# Altium PCB Copy of KaRadioWired.PcbDoc (part 1 of 3) (continued)
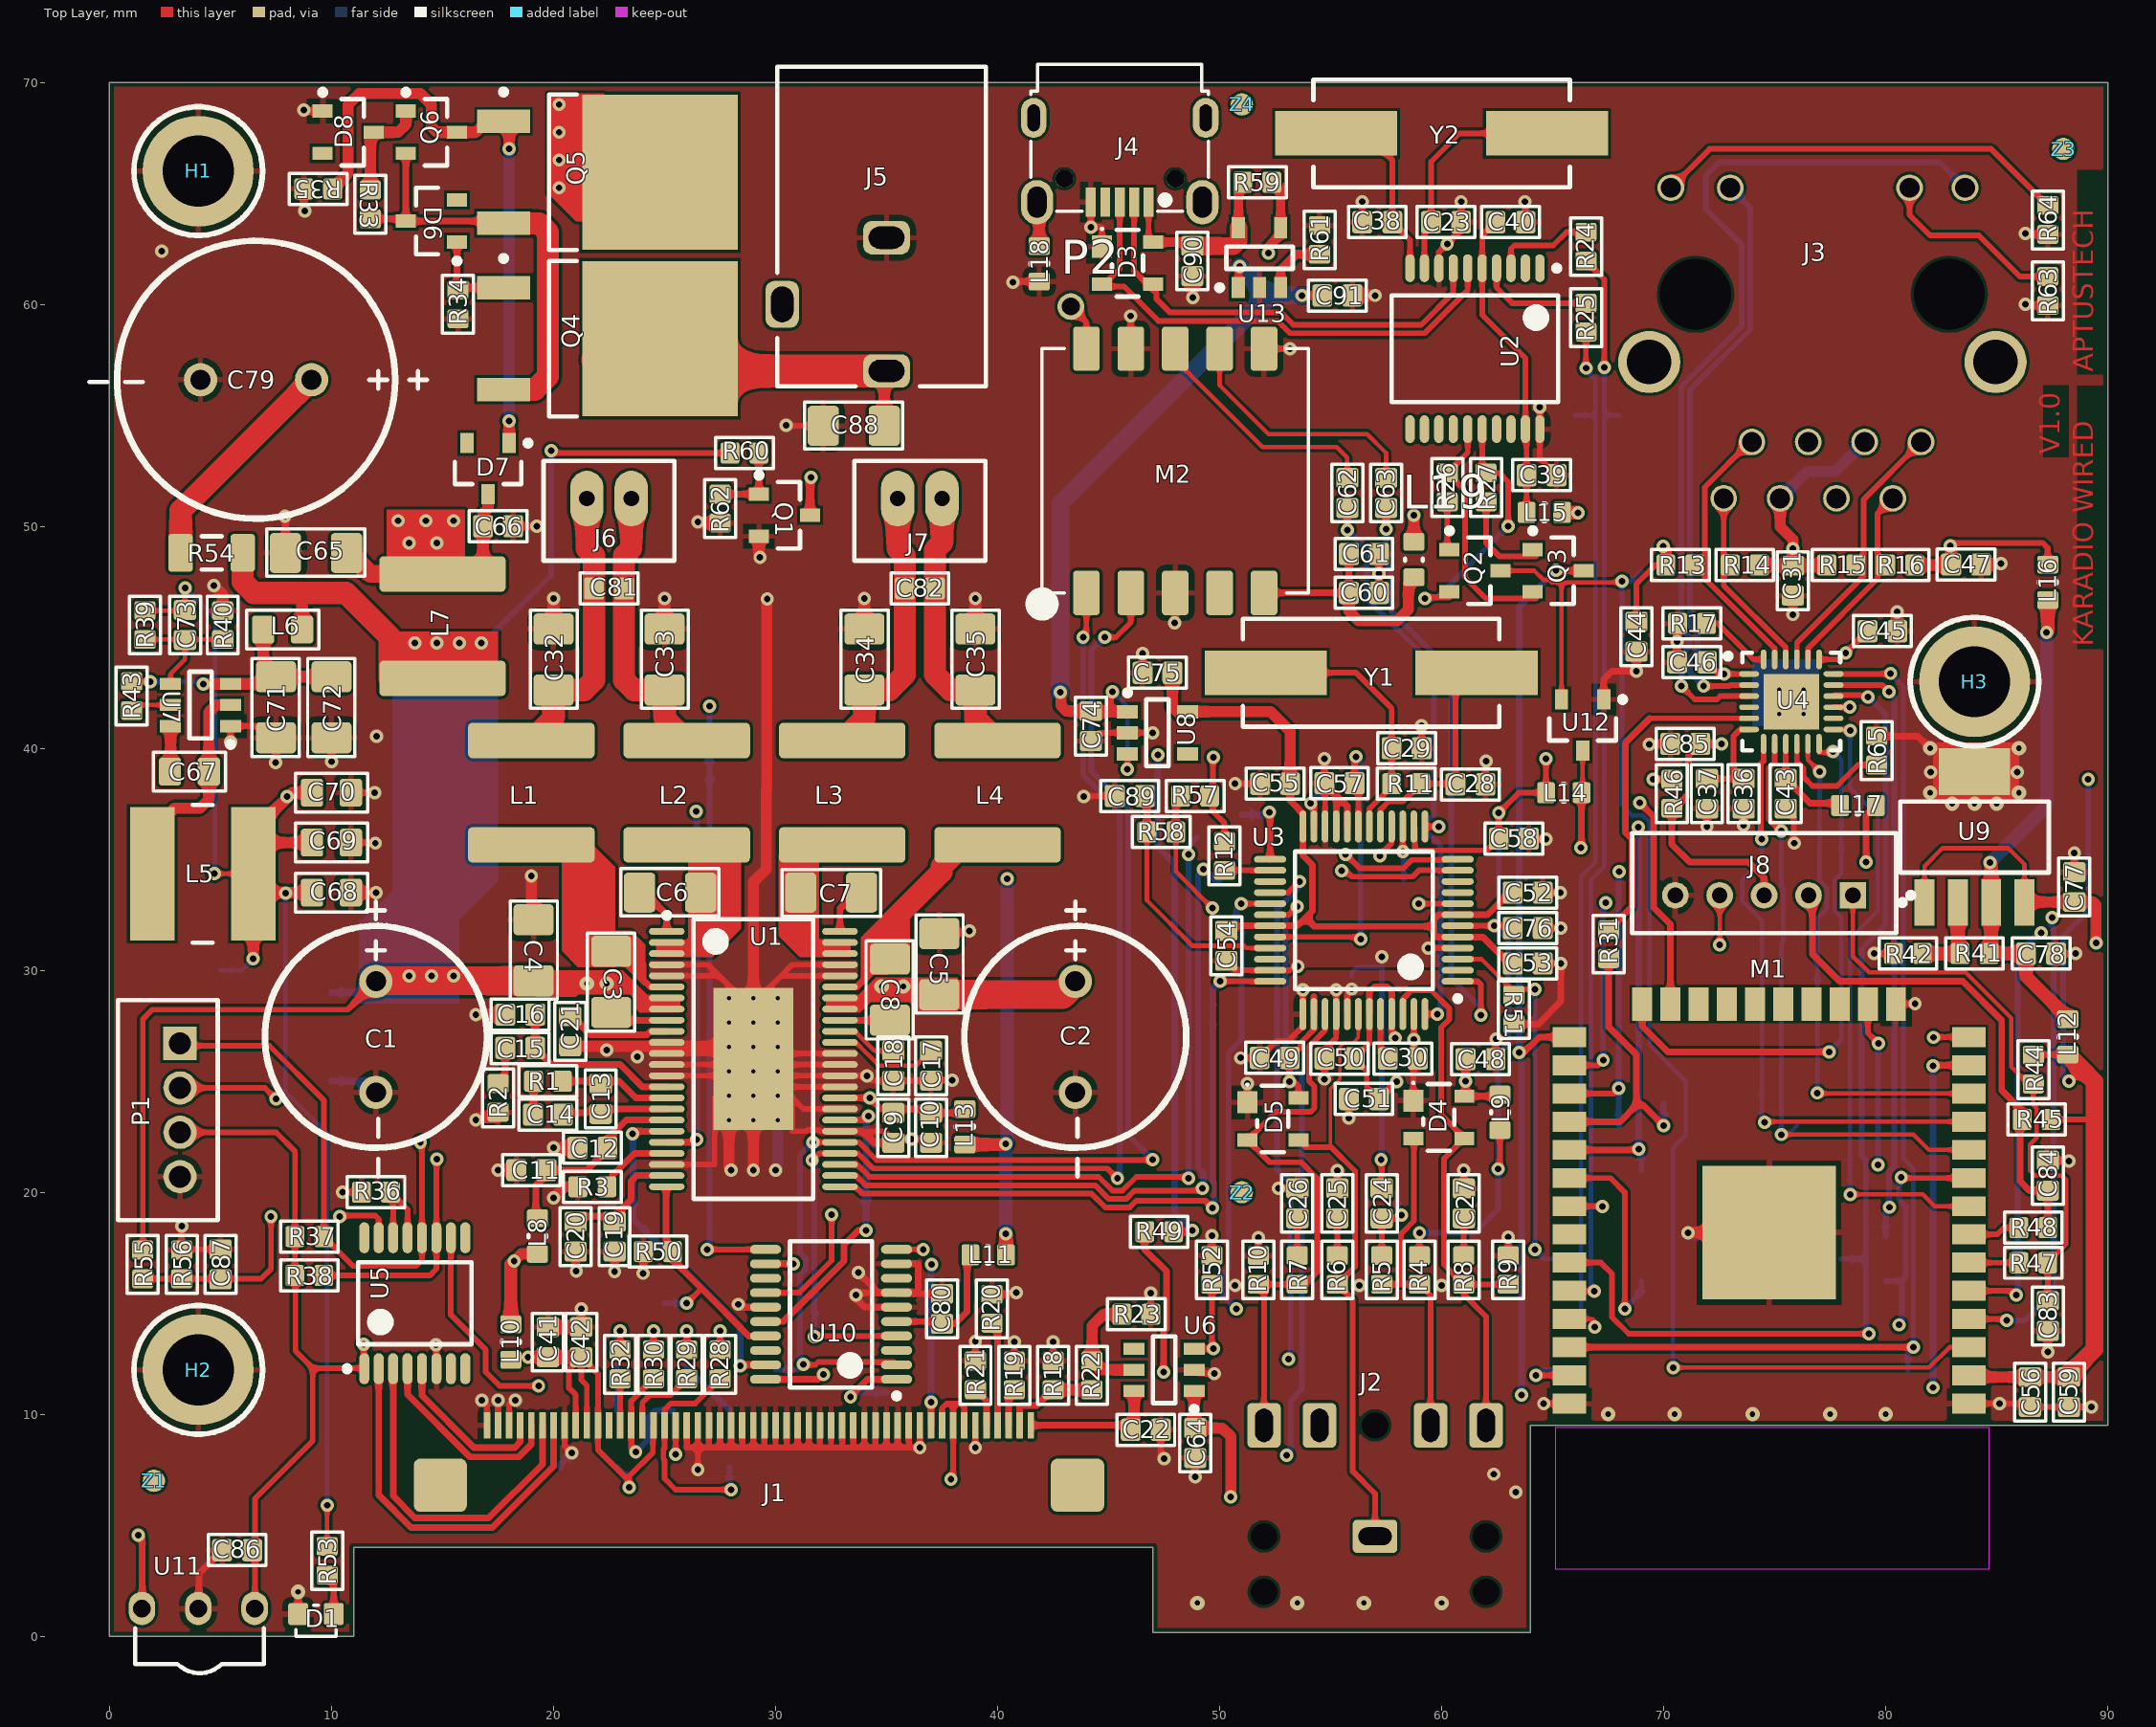
[diagram p0: Top Layer view]
## Design rules (kind name [scope] priority, off if disabled: settings)
BoardOutlineClearance [All] p1: gap=0.2 ignorepadtopadclearanceinfootprint=FALSE
Clearance [All] p1: gap=0.125 ignorepadtopadclearanceinfootprint=FALSE
ComponentClearance [All] p1: gap=0.2 collisioncheckmode=3 verticalgap=0.254 showdistances=FALSE
PolygonConnect [HasFootprint('TSSOP50P810X120_HS-49M')] p1: connectstyle=Direct reliefconductorwidth=0.254 reliefentries=4 polygonreliefangle="90 Angle" airgapwidth=0.254
PolygonConnect PolygonConnect_2 [IsVia] p2: connectstyle=Direct reliefconductorwidth=0.254 reliefentries=4 polygonreliefangle="90 Angle" airgapwidth=0.254
PolygonConnect PolygonConnect_1 [All] p3: connectstyle=Relief reliefconductorwidth=0.254 reliefentries=4 polygonreliefangle="90 Angle" airgapwidth=0.254
RoomDefinition 00-INDEX [InComponentClass('00-INDEX')] p1 off: confinementstyle=ConfineIn formatcopy=TRUE lockcomponents=FALSE outline 124,1.25 159.25,1.25 159.25,9.5 124,9.5
RoomDefinition 05-Power [InComponentClass('05-Power')] p2 off: confinementstyle=ConfineIn formatcopy=TRUE lockcomponents=FALSE outline 123.75,1 135.75,1 135.75,20 123.75,20
RoomDefinition 04-Ethernet [InComponentClass('04-Ethernet')] p3 off: confinementstyle=ConfineIn formatcopy=TRUE lockcomponents=FALSE outline 124,1.25 130.25,1.25 130.25,9.75 124,9.75
RoomDefinition 03-VS1053B [InComponentClass('03-VS1053B')] p4 off: confinementstyle=ConfineIn formatcopy=TRUE lockcomponents=FALSE outline 127,22.975 231.5,22.975 231.5,41.225 127,41.225
RoomDefinition 02-ESP-WROOM-32 [InComponentClass('02-ESP-WROOM-32')] p5 off: confinementstyle=ConfineIn formatcopy=TRUE lockcomponents=FALSE outline -55,-26 -4.2,-26 -4.2,-0.6 -55,-0.6
RoomDefinition 01-Amplifier [InComponentClass('01-Amplifier')] p6 off: confinementstyle=ConfineIn formatcopy=TRUE lockcomponents=FALSE outline 123.943,0.924 210.684,0.924 210.684,17.053 123.943,17.053
RoutingVias [All] p1: holewidth=0.3 width=0.6 viastyle="Through Hole" minholewidth=0.3 minwidth=0.6 maxholewidth=0.3 maxwidth=0.6
SolderMaskExpansion [All] p1: expansion=0.102
Width [All] p1: maxlimit=3 minlimit=0.15 preferedwidth=0.254
29 further rules are at their usual default settings.

## Classes and differential pairs
component class 00-INDEX: H1 H2 H3 TP2 TP3 TP4 TP5 TP6 TP7 TP8 TP9 TP10 TP11 TP12 TP13 TP14 TP15 TP16 TP17 TP18 TP19 TP20 TP21 TP22 TP23 TP24 TP25 TP26 TP27 TP28 TP29 TP30 TP31 TP32 TP33 TP34 TP35 TP36 TP37 TP38 TP40 TP41 TP42 Z1 Z2 Z3 Z4
component class 05-Power: C65 C66 C67 C68 C69 C70 C71 C72 C73 C74 C75 C77 C78 C79 C88 C90 C91 D1 D6 D7 D8 J5 L5 L6 L7 L8 L10 L11 L12 L13 L14 L15 L16 L17 L19 Q1 Q4 Q5 Q6 R33 R34 R35 R39 R40 R41 R42 R43 R53 R54 R59 R60 R61 R62 U7 U8 U9 U13
component class 04-Ethernet: C31 C36 C37 C43 C44 C45 C46 C47 J3 R13 R14 R15 R16 R17 R31 R63 R64 R65 U4
component class 03-VS1053B: 1 C24 C25 C26 C27 C28 C29 C30 C48 C49 C50 C51 C52 C53 C54 C55 C57 C58 C60 C61 C62 C63 C76 C89 D4 D5 J2 L9 M2 P2 R4 R5 R6 R7 R8 R9 R10 R11 R12 R51 R57 R58 TP1 U3 Y1
component class 02-ESP-WROOM-32: C22 C23 C38 C39 C40 C41 C42 C56 C59 C64 C80 C83 C84 C85 C86 C87 D3 J1 J4 J8 L18 M1 P1 Q2 Q3 R18 R19 R20 R21 R22 R23 R24 R25 R26 R27 R28 R29 R30 R32 R36 R37 R38 R44 R45 R46 R47 R48 R49 R52 R55 R56 TP39 TP43 TP44 TP45 TP46 TP47 TP48 U2 U5 U6 U10 U11 U12 Y2
component class 01-Amplifier: C1 C2 C3 C4 C5 C6 C7 C8 C9 C10 C11 C12 C13 C14 C15 C16 C17 C18 C19 C20 C21 C32 C33 C34 C35 C81 C82 J6 J7 L1 L2 L3 L4 R1 R2 R3 R50 U1

## Components (designator, comment, footprint, x,y, rotation, side; value= is the part's Value field where it differs from the comment)
1 "Cont_0.2" CONT_0.2 55.95,29.625 r270 bottom net-tie
C1 "470uF 25V" Cap_POL_10mm_12.5mm_TH 12,24.5 r90 top value=470uF
C2 "470uF 25V" Cap_POL_10mm_12.5mm_TH 43.5,24.5 r90 top value=470uF
C3 "10nF 50V 1206 X7R" CAPC3216X16N 22.6,29.475 r90 top value=10nF
C4 "4.7uF 50V 1206 X5R" CAPC3216X16N 19.1,30.9 r270 top value=4.7uF
C5 "4.7uF 50V 1206 X5R" CAPC3216X16N 37.375,30.275 r270 top value=4.7uF
C6 "10nF 50V 1206 X7R" CAPC3216X16N 25.25,33.5 r0 top value=10nF
C7 "10nF 50V 1206 X7R" CAPC3216X16N 32.5,33.5 r180 top value=10nF
C8 "10nF 50V 1206 X7R" CAPC3216X16N 35.15,29.125 r90 top value=10nF
C9 "100nF 25V 0603 X5R" CAPC1608X06N 35.3,22.9 r90 top value=100nF
C10 "4.7uF 10V 0603 X5R" CAPC1608X06N 37,22.9 r90 top value=4.7uF
C11 "4.7uF 10V 0603 X5R" CAPC1608X06N 19,21 r0 top value=4.7uF
C12 "100nF 25V 0603 X5R" CAPC1608X06N 21.75,22 r0 top value=100nF
C13 "4.7nF 50V 0603 X7R" CAPC1608X06N 22.125,24.2 r270 top value=4.7nF
C14 "47nF 50V 0603 X7R" CAPC1608X06N 19.75,23.5 r0 top value=47nF
C15 "47nF 50V 0603 X7R" CAPC1608X06N 18.5,26.5 r0 top value=47nF
C16 "4.7nF 50V 0603 X7R" CAPC1608X06N 18.5,28 r0 top value=4.7nF
C17 "100nF 25V 0603 X5R" CAPC1608X06N 37,25.7 r270 top value=100nF
C18 "1uF 16V 0603 X7R" CAPC1608X06N 35.3,25.7 r90 top value=1uF
C19 "4.7uF 10V 0603 X5R" CAPC1608X06N 22.75,18 r270 top value=4.7uF
C20 "100nF 25V 0603 X5R" CAPC1608X06N 21,18 r270 top value=100nF
C21 "2.2nF 50V 0603 X7R" CAPC1608X06N 20.75,27.25 r90 top value=2.2nF
C22 "2.2uF 10V 0603 X5R" CAPC1608X06N 46.675,9.3 r180 top value=2.2uF
C23 "33pF 50V 0603 NP0" CAPC1608X06N 60.2,63.7 r180 top value=33pF
C24 "47nF 50V 0603 X7R" CAPC1608X06N 57.3,19.5 r270 top value=47nF
C25 "47nF 50V 0603 X7R" CAPC1608X06N 55.3,19.5 r270 top value=47nF
C26 "10nF 50V 0603 NP0" CAPC1608X06N 53.5,19.5 r270 top value=10nF
C27 "10nF 50V 0603 NP0" CAPC1608X06N 61,19.5 r270 top value=10nF
C28 "33pF 50V 0603 NP0" CAPC1608X06N 61.3,38.375 r180 top value=33pF
C29 "33pF 50V 0603 NP0" CAPC1608X06N 58.425,40 r180 top value=33pF
C30 "1uF 16V 0603 X7R" CAPC1608X06N 58.25,26.025 r180 top value=1uF
C31 "100nF 25V 0603 X5R" CAPC1608X06N 75.825,47.55 r270 top value=100nF
C32 "680nF 50V 1206 C0G" CAPC3216X16N 20,44 r270 top value=680nF
C33 "680nF 50V 1206 C0G" CAPC3216X16N 25,44 r270 top value=680nF
C34 "680nF 50V 1206 C0G" CAPC3216X16N 34,44 r270 top value=680nF
C35 "680nF 50V 1206 C0G" CAPC3216X16N 39,44 r270 top value=680nF
C36 "100nF 25V 0603 X5R" CAPC1608X06N 73.6,37.95 r270 top value=100nF
C37 "2.2uF 10V 0603 X5R" CAPC1608X06N 71.95,37.95 r90 top value=2.2uF
C38 "33pF 50V 0603 NP0" CAPC1608X06N 57.1,63.7 r0 top value=33pF
C39 "22uF 6.3V 0603 X5R" CAPC1608X06N 64.5,52.3 r0 top value=22uF
C40 "100nF 25V 0603 X5R" CAPC1608X06N 63.1,63.7 r0 top value=100nF
C41 "2.2uF 10V 0603 X5R" CAPC1608X06N 19.75,13.25 r270 top value=2.2uF
C42 "100nF 25V 0603 X5R" CAPC1608X06N 21.25,13.25 r90 top value=100nF
C43 "100nF 25V 0603 X5R" CAPC1608X06N 75.5,37.95 r270 top value=100nF
C44 "22uF 6.3V 0603 X5R" CAPC1608X06N 68.775,45.025 r90 top value=22uF
C45 "100nF 25V 0603 X5R" CAPC1608X06N 79.85,45.275 r0 top value=100nF
C46 "100nF 25V 0603 X5R" CAPC1608X06N 71.275,43.875 r180 top value=100nF
C47 "100nF 25V 0603 X5R" CAPC1608X06N 83.625,48.275 r0 top value=100nF
C48 "10uF 6.3V 0603 X5R" CAPC1608X06N 61.75,26 r180 top value=10uF
C49 "100nF 25V 0603 X5R" CAPC1608X06N 52.475,26.05 r0 top value=100nF
C50 "100nF 25V 0603 X5R" CAPC1608X06N 55.4,26.025 r0 top value=100nF
C51 "100nF 25V 0603 X5R" CAPC1608X06N 56.5,24.2 r0 top value=100nF
C52 "10uF 6.3V 0603 X5R" CAPC1608X06N 63.875,33.5 r180 top value=10uF
C53 "100nF 25V 0603 X5R" CAPC1608X06N 63.875,30.3 r180 top value=100nF
C54 "100nF 25V 0603 X5R" CAPC1608X06N 50.3,31.1 r90 top value=100nF
C55 "100nF 25V 0603 X5R" CAPC1608X06N 52.5,38.4 r0 top value=100nF
C56 "22uF 6.3V 0603 X5R" CAPC1608X06N 86.5,11 r270 top value=22uF
C57 "100nF 25V 0603 X5R" CAPC1608X06N 55.4,38.425 r0 top value=100nF
C58 "100nF 25V 0603 X5R" CAPC1608X06N 63.25,35.925 r180 top value=100nF
C59 "100nF 25V 0603 X5R" CAPC1608X06N 88.25,11 r270 top value=100nF
C60 "10uF 6.3V 0603 X5R" CAPC1608X06N 56.5,47 r180 top value=10uF
C61 "4.7nF 50V 0603 X7R" CAPC1608X06N 56.5,48.75 r180 top value=4.7nF
C62 "1uF 16V 0603 X7R" CAPC1608X06N 55.75,51.5 r270 top value=1uF
C63 "1uF 16V 0603 X7R" CAPC1608X06N 57.5,51.5 r270 top value=1uF
C64 "2.2uF 10V 0603 X5R" CAPC1608X06N 48.9,8.7 r90 top value=2.2uF
C65 "4.7uF 50V 1206 X5R" CAPC3216X16N 9.3,48.8 r0 top value=4.7uF
C66 "10nF 50V 0603 NP0" CAPC1608X06N 17.5,50 r180 top value=10nF
C67 "100nfF 10V 0805 X5R" CAPC2012X14N 3.6,38.95 r0 top value=100nF
C68 "22uF 10V 0805 X5R" CAPC2012X14N 10,33.5 r180 top value=22uF
C69 "22uF 10V 0805 X5R" CAPC2012X14N 10,35.75 r180 top value=22uF
C70 "22uF 10V 0805 X5R" CAPC2012X14N 10,38 r180 top value=22uF
C71 "10uF 50V 1206 X5R" CAPC3216X16N 7.5,41.85 r90 top value=10uF
C72 "10uF 50V 1206 X5R" CAPC3216X16N 10,41.85 r90 top value=10uF
C73 "68pF 50V 0603 NP0" CAPC1608X06N 3.4,45.55 r90 top value=68pF
C74 "1uF 16V 0603 X7R" CAPC1608X06N 44.2,41 r90 top value=1uF
C75 "1uF 16V 0603 X7R" CAPC1608X06N 47.2,43.4 r0 top value=1uF
C76 "100nF 25V 0603 X5R" CAPC1608X06N 63.875,31.9 r180 top value=100nF
C77 "1uF 16V 0603 X7R" CAPC1608X06N 88.5,33.75 r270 top value=1uF
C78 "1uF 16V 0603 X7R" CAPC1608X06N 87,30.75 r180 top value=1uF
C79 "1800uF 25V" Cap_POL_12.5mm_20mm_TH 4.1,56.6 r0 top value=1800uF
C80 "100nF 25V 0603 X5R" CAPC1608X06N 37.5,14.75 r90 top value=100nF
C81 "2.2nF 50V 0603 X7R" CAPC1608X06N 22.5,47.2 r180 top value=2.2nF
C82 "2.2nF 50V 0603 X7R" CAPC1608X06N 36.5,47.2 r180 top value=2.2nF
C83 "4.7nF 50V 0603 X7R" CAPC1608X06N 87.3,14.425 r90 top value=4.7nF
C84 "4.7nF 50V 0603 X7R" CAPC1608X06N 87.3,20.75 r270 top value=4.7nF
C85 "4.7nF 50V 0603 X7R" CAPC1608X06N 70.975,40.2 r0 top value=4.7nF
C86 "100nF 25V 0603 X5R" CAPC1608X06N 5.75,3.875 r180 top value=100nF
C87 "4.7nF 50V 0603 X7R" CAPC1608X06N 5,16.75 r270 top value=4.7nF
C88 "1nF 100V 1206 X7R" CAPC3216X16N 33.525,54.525 r0 top value=1nF
C89 "4.7nF 50V 0603 X7R" CAPC1608X06N 45.95,37.85 r0 top value=4.7nF
C90 "1uF 16V 0603 X7R" CAPC1608X06N 48.775,61.95 r90 top value=1uF
C91 "1uF 16V 0603 X7R" CAPC1608X06N 55.3,60.4 r180 top value=1uF
D1 "LED Side Blue" APA1606 8.5,1 r0 top
D3 "PRTR5V0U2AX,215" SOT190P230X120-4N 45.85,61.85 r0 top
D4 "PRTR5V0U2AX,215" SOT190P230X120-4N 59.875,23.375 r0 top
D5 "PRTR5V0U2AX,215" SOT190P230X120-4N 52.4,23.3 r0 top
D6 "BZX84C12LT1G" SOT95P230X110-3N 14.5,63.75 r180 top
D7 "BZX84C12LT1G" SOT95P230X110-3N 17.05,52.6 r270 top
D8 "BZX84C22LT1G" SOT95P230X110-3N 10.75,67.75 r0 top
H1 "Hole_Screw_3mm" HOLE_3.2MM 4,66 r0 top
H2 "Hole_Screw_3mm" HOLE_3.2MM 4,12 r0 top
H3 "Hole_Screw_3mm" HOLE_3.2MM 84,43 r0 top
J1 "ER-TFT024-3" 62684-501100ALF 41.5,9.5 r0 top
J2 "Jack 3.5mm Stereo" SJ1-352xng 57,9.5 r90 top
J3 "RJLBC-060TC1" RJLBC-060TC1 77.15,52.53 r180 top
J4 "MicroUSB_B" 629105150521 45.5,67.5 r180 top
J5 "Barrel Jack 5mm/2mm" "CUI PJ-102AH" 35,63.5 r0 top
J6 "JST B2B-PH-K" "JST B2B-PH-K" 22.5,51.25 r0 top
J7 "JST B2B-PH-K" "JST B2B-PH-K" 36.5,51.25 r0 top
J8 "B5B-PH-K-S" JST-B5B-PH-K-S_V 74.525,33.375 r180 top
L1 "1255AY-150M" 1255AY 19,38 r90 top value=15uH
L2 "1255AY-150M" 1255AY 26,38 r90 top value=15uH
L3 "1255AY-150M" 1255AY 33,38 r90 top value=15uH
L4 "1255AY-150M" 1255AY 40,38 r90 top value=15uH
L5 "SRN6045-100M" SRN6045 4.2,34.35 r0 top value=10uH
L6 "74279220601" IND2012X14N 7.8,45.35 r180 top value="600 Ohm@100MHz"
L7 "1255AY-4R7M=P3" 1255AY 15,45.5 r270 top value=4.7uH
L8 "742792662" CAPC0603(1608) 19.275,18.025 r90 top
L9 "742792662" CAPC0603(1608) 62.625,23.6 r90 top
L10 "742792662" CAPC0603(1608) 18.075,13.25 r270 top
L11 "742792662" CAPC0603(1608) 39.575,17.175 r180 top
L12 "742792662" CAPC0603(1608) 88.2,27 r270 top
L13 "742792662" CAPC0603(1608) 38.525,22.95 r90 top
L14 "742792662" CAPC0603(1608) 65.5,38 r180 top
L15 "742792662" CAPC0603(1608) 64.625,50.625 r180 top
L16 "742792662" CAPC0603(1608) 87.3,47.475 r90 top
L17 "742792662" CAPC0603(1608) 78.75,37.425 r180 top
L18 "742792662" CAPC0603(1608) 41.875,61.825 r270 top
L19 "742792662" CAPC0603(1608) 58.75,48.5 r270 top
M1 "ESP32_WROOM_32" ESP-WROOM-32 74.75,18.18 r270 top
M2 "TEA5767" MOD_TEA5767 44,47 r90 top
P1 "B4B-PH-K-S(LF)(SN)" JST-B4B-PH-K-S_V 2.625,23.7 r270 top
P2 "Wire_TH" TH_0.8mm 43.3,59.9 r0 top
Q1 "BC817" SOT95P230X110-3N 30.4,50.5 r0 top
Q2 "BC817" SOT95P230X110-3N 61.5,48 r0 top
Q3 "BC817" SOT95P230X110-3N 65.25,48 r0 top
Q4 "TSM7P06CP" TO252 24.55,58.45 r0 top
Q5 "TSM7P06CP" TO252 24.55,65.95 r0 top
Q6 "BSS84" SOT95P230X110-3N 14.5,67.75 r0 top
R1 "470R_0603" RESC1608X06N 19.75,25 r180 top value=470R
R2 "470R_0603" RESC1608X06N 17.5,24.25 r90 top value=470R
R3 "18k_0603" RESC1608X06N 21.75,20.25 r0 top value=18k
R4 "100k_0603" RESC1608X06N 59,16.5 r90 top value=100k
R5 "10k_0603" RESC1608X06N 57.3,16.5 r270 top value=10k
R6 "10R_0603" RESC1608X06N 55.3,16.5 r270 top value=10R
R7 "20R_0603" RESC1608X06N 53.5,16.5 r270 top value=20R
R8 "20R_0603" RESC1608X06N 61,16.5 r270 top value=20R
R9 "10k_0603" RESC1608X06N 63,16.5 r90 top value=10k
R10 "10k_0603" RESC1608X06N 51.75,16.5 r90 top value=10k
R11 "1M_0603" RESC1608X06N 58.4,38.4 r0 top value=1M
R12 "100k_0603" RESC1608X06N 50.225,35.15 r90 top value=100k
R13 "49R9_0603" RESC1608X06N 70.75,48.25 r180 top value=49R9
R14 "49R9_0603" RESC1608X06N 73.65,48.25 r0 top value=49R9
R15 "49R9_0603" RESC1608X06N 78,48.25 r180 top value=49R9
R16 "49R9_0603" RESC1608X06N 80.65,48.25 r0 top value=49R9
R17 "12k1_0603" RESC1608X06N 71.275,45.625 r0 top value=12k1
R18 "68R_0603" RESC1608X06N 42.5,11.75 r270 top value=68R
R19 "68R_0603" RESC1608X06N 40.75,11.75 r270 top value=68R
R20 "68R_0603" RESC1608X06N 39.75,14.75 r270 top value=68R
R21 "68R_0603" RESC1608X06N 39,11.75 r270 top value=68R
R22 "11k_0603" RESC1608X06N 44.25,11.75 r270 top value=11k
R23 "10k_0603" RESC1608X06N 46.25,14.5 r180 top value=10k
R24 "68R_0603" RESC1608X06N 66.5,62.6 r270 top value=68R
R25 "68R_0603" RESC1608X06N 66.5,59.4 r270 top value=68R
R26 "10k_0603" RESC1608X06N 60.25,51.75 r90 top value=10k
R27 "10k_0603" RESC1608X06N 62,51.75 r90 top value=10k
R28 "68R_0603" RESC1608X06N 27.5,12.25 r270 top value=68R
R29 "68R_0603" RESC1608X06N 26,12.25 r270 top value=68R
R30 "68R_0603" RESC1608X06N 24.5,12.25 r270 top value=68R
R31 "10R_0603" RESC1608X06N 67.525,31.175 r90 top value=10R
R32 "68R_0603" RESC1608X06N 23,12.25 r270 top value=68R
R33 "10k_0603" RESC1608X06N 11.75,64.5 r270 top value=10k
R34 "1k_0603" RESC1608X06N 15.7,60 r90 top value=1k
R35 "10k_0603" RESC1608X06N 9.4,65.2 r0 top value=10k
R36 "10k_0603" RESC1608X06N 12,20 r180 top value=10k
R37 "4k7_0603" RESC1608X06N 9,18 r180 top value=4k7
R38 "4k7_0603" RESC1608X06N 9,16.25 r180 top value=4k7
R39 "100k_0603" RESC1608X06N 1.6,45.55 r90 top value=100k
R40 "17k8_0603" RESC1608X06N 5.1,45.55 r270 top value=17k8
R41 "18k_0603" RESC1608X06N 84,30.75 r0 top value=18k
R42 "12k1_0603" RESC1608X06N 81,30.75 r0 top value=12k1
R43 "10k_0603" RESC1608X06N 1,42.35 r90 top value=10k
R44 "10k_0603" RESC1608X06N 86.65,25.525 r90 top value=10k
R45 "10k_0603" RESC1608X06N 86.8,23.275 r0 top value=10k
R46 "10k_0603" RESC1608X06N 70.375,37.95 r90 top value=10k
R47 "1k_0603" RESC1608X06N 86.65,16.825 r0 top value=1k
R48 "1k_0603" RESC1608X06N 86.65,18.4 r0 top value=1k
R49 "1k_0603" RESC1608X06N 47.275,18.225 r0 top value=1k
R50 "10k_0603" RESC1608X06N 24.7,17.325 r180 top value=10k
R51 "10k_0603" RESC1608X06N 63.25,28.225 r90 top value=10k
R52 "10k_0603" RESC1608X06N 49.65,16.5 r270 top value=10k
R53 "1k_0603" RESC1608X06N 9.8,3.4 r90 top value=1k
R54 "0R25_1206" RESC3116X07N 4.6,48.8 r0 top value=0R25
R55 "100k_0603" RESC1608X06N 1.5,16.75 r90 top value=100k
R56 "10k_0603" RESC1608X06N 3.25,16.75 r270 top value=10k
R57 "100k_0603" RESC1608X06N 48.9,37.85 r0 top value=100k
R58 "10k_0603" RESC1608X06N 47.375,36.225 r180 top value=10k
R59 "10k_0603" RESC1608X06N 51.7,65.5 r180 top value=10k
R60 "10k_0603" RESC1608X06N 28.6,53.3 r180 top value=10k
R61 "10k_0603" RESC1608X06N 54.5,62.9 r270 top value=10k
R62 "10k_0603" RESC1608X06N 27.5,50.8 r270 top value=10k
R63 "470R_0603" RESC1608X06N 87.3,60.6 r90 top value=470R
R64 "470R_0603" RESC1608X06N 87.3,63.8 r90 top value=470R
R65 "10k_0603" RESC1608X06N 79.6,39.9 r270 top value=10k
TP1 "TP_1mm" TP_1mm 58.3,34.1 r90 bottom
TP2 "TP_1mm" TP_1mm 34,20 r90 bottom
TP3 "TP_1mm" TP_1mm 24,19 r90 bottom
TP4 "TP_1mm" TP_1mm 25,15 r90 bottom
TP5 "TP_1mm" TP_1mm 50,28 r90 bottom
TP6 "TP_1mm" TP_1mm 51,37 r90 bottom
TP7 "TP_1mm" TP_1mm 50,34 r90 bottom
TP8 "TP_1mm" TP_1mm 49,36 r90 bottom
TP9 "TP_1mm" TP_1mm 30,12 r90 bottom
TP10 "TP_1mm" TP_1mm 32,15 r90 bottom
TP11 "TP_1mm" TP_1mm 37,15 r90 bottom
TP12 "TP_1mm" TP_1mm 50.75,32 r90 bottom
TP13 "TP_1mm" TP_1mm 69,16 r90 bottom
TP14 "TP_1mm" TP_1mm 68,23 r90 bottom
TP15 "TP_1mm" TP_1mm 66,12 r90 bottom
TP16 "TP_1mm" TP_1mm 35,11 r90 bottom
TP17 "TP_1mm" TP_1mm 80,16 r90 bottom
TP18 "TP_1mm" TP_1mm 88,39 r90 bottom
TP19 "TP_1mm" TP_1mm 58,20 r90 bottom
TP20 "TP_1mm" TP_1mm 65,17 r90 bottom
TP21 "TP_1mm" TP_1mm 69,21 r90 bottom
TP22 "TP_1mm" TP_1mm 55,38 r90 bottom
TP23 "TP_1mm" TP_1mm 86,17 r90 bottom
TP24 "TP_1mm" TP_1mm 85,39 r90 bottom
TP25 "TP_1mm" TP_1mm 80,18 r90 bottom
TP26 "TP_1mm" TP_1mm 81,12 r90 bottom
TP27 "TP_1mm" TP_1mm 78,17 r90 bottom
TP28 "TP_1mm" TP_1mm 76,23 r90 bottom
TP29 "TP_1mm" TP_1mm 74,24 r90 bottom
TP30 "TP_1mm" TP_1mm 77,30 r90 bottom
TP31 "TP_1mm" TP_1mm 78,36 r90 bottom
TP32 "TP_1mm" TP_1mm 78,21 r90 bottom
TP33 "TP_1mm" TP_1mm 27,39 r90 bottom
TP34 "TP_1mm" TP_1mm 70,24 r90 bottom
TP35 "TP_1mm" TP_1mm 5,30 r90 bottom
TP36 "TP_1mm" TP_1mm 10,29 r90 bottom
TP37 "TP_1mm" TP_1mm 10,25 r90 bottom
TP38 "TP_1mm" TP_1mm 72,18 r90 bottom
TP39 "TP_1mm" TP_1mm 22.86,7.62 r90 bottom
TP40 "TP_1mm" TP_1mm 69,48 r90 bottom
TP41 "TP_1mm" TP_1mm 68,55 r90 bottom
TP42 "TP_1mm" TP_1mm 66,55 r90 bottom
TP43 "TP_1mm" TP_1mm 25.4,7.62 r90 bottom
TP44 "TP_1mm" TP_1mm 20.32,7.62 r90 bottom
TP45 "TP_1mm" TP_1mm 27.94,7.62 r90 bottom
TP46 "TP_1mm" TP_1mm 27.94,10.16 r90 bottom
TP47 "TP_1mm" TP_1mm 25.4,10.16 r90 bottom
TP48 "TP_1mm" TP_1mm 22.86,10.16 r90 bottom
U1 "TAS5751M" TSSOP50P810X120_HS-49M 29,26 r0 top
U2 "CH340T" TSOP65P780X120-20N 61.5,58 r270 top
U3 "VS1053" TSQFP50P900X900X160-48N 56.5,32.25 r180 top
U4 "LAN8720" QFN50P400X400X100_HS-25N 75.75,42.1 r0 top
U5 "TSC2007" TSOP65P640X120-16N 13.75,15 r90 top
U6 "TPS73001DBV" SOT95P245X110-6N 47.5,12 r180 top
U7 "TPS54202" SOT95P245X110-6N 4.1,41.95 r180 top
U8 "TC1014-1.8VCT713" SOT95P245X110-5N 47.2,40.7 r0 top
U9 "LP38692" SOT150P700X180-5N 84,36 r90 top
U10 "PCF8574TS/3" TSOP65P640X120-20N 32.5,14.5 r180 top
U11 "TSOP33436" TSOP332 1.46,1.25 r0 top
U12 "MIC803-29D3VM3-TR" SOT95P230X110-3N 66.35,41.05 r270 top
U13 "SY6280A" SOT95P245X110-5N 51.8,62.1 r90 top
Y1 "HC49SDLF 12.288MHz" "TXC 9C" 56.825,43.4 r180 top value=12.2880MHz
Y2 "HC49SDLF 12MHz" "TXC 9C" 60,67.7 r180 top value=12MHz
Z1 "Fiducial" Fiducial_1mm 2,7 r0 top
Z2 "Fiducial" Fiducial_1mm 51,20 r0 top
Z3 "Fiducial" Fiducial_1mm 88,67 r0 top
Z4 "Fiducial" Fiducial_1mm 51,69 r0 top

## Footprints (in the part's own frame and the unit in brackets; to place one, negate y for a bottom-side part, rotate by r counter-clockwise, add the part's x,y. Pads: shape width x height; smd on the part's side, far side on the other; paste and mask are expansions set on the pad)
1255AY [mm] "Sel Murata"
  rrect25% 1.6x5.7 smd: 1(-2.35,0) 2(2.35,0)
  body extent -3.1,-3.15 3.2,3.15, height 4.5
62684-501100ALF [mm] "Bot FPC 50 pin connector 0.5mm"
  rrect25% 0.3x1.2 smd: 1(0,0) 2(-0.5,0) 3(-1,0) 4(-1.5,0) 5(-2,0) 6(-2.5,0) 7(-3,0) 8(-3.5,0) 9(-4,0) 10(-4.5,0) 11(-5,0) 12(-5.5,0) 13(-6,0) 14(-6.5,0) 15(-7,0) 16(-7.5,0) 17(-8,0) 18(-8.5,0) 19(-9,0) 20(-9.5,0) 21(-10,0) 22(-10.5,0) 23(-11,0) 24(-11.5,0) 25(-12,0) 26(-12.5,0) 27(-13,0) 28(-13.5,0) 29(-14,0) 30(-14.5,0) 31(-15,0) 32(-15.5,0) 33(-16,0) 34(-16.5,0) 35(-17,0) 36(-17.5,0) 37(-18,0) 38(-18.5,0) 39(-19,0) 40(-19.5,0) 41(-20,0) 42(-20.5,0) 43(-21,0) 44(-21.5,0) 45(-22,0) 46(-22.5,0) 47(-23,0) 48(-23.5,0) 49(-24,0) 50(-24.5,0)
  rrect25% 2.4x2.4 smd: 51(2.1,-2.7) 52(-26.6,-2.7)
  body extent -27.52,-5.3 2.97,0.34, height 2.11
629105150521 [mm] "Micro USB 2.0 SMT Type B Horizontal 5 Contacts High Current"
  rect 0.45x1.3 smd: 1(-1.3,2.9) 2(-0.65,2.9) 3(0,2.9) 4(0.65,2.9) 5(1.3,2.9)
  oval 1.15x1.8 hole 0.55 slot 1.2 at 90 deg: Shell(-3.875,-0.9) Shell(3.875,-0.9)
  oval 1.45x2 hole 0.85 slot 1.4 at 90 deg: Shell(-3.725,2.9) Shell(3.725,2.9)
  round 0.8 hole 0.8 unplated: ""(-2.5,1.85) ""(2.5,1.85)
  silkscreen extent -4,-3.3 4,3.3, body extent -4,-3.3 4,3.3, height 2.71
APA1606 [mm] "Side led"
  rrect25% 0.9x1 smd paste+0 mask+0.102: 1(0,0) 2(1.6,0)
  silkscreen extent -0.1,-1 1.7,0.4, body extent 0,-0.95 1.6,0.25, height 0.6
Cap_POL_10mm_12.5mm_TH [mm]
  round 1.5 hole 0.9: 1(5,0) 2(0,0)
  silkscreen extent -3.8,-5 8.6,5, body extent -2.5,-5 7.5,5, height 14.1
Cap_POL_12.5mm_20mm_TH [mm]
  round 1.5 hole 0.9: 1(5,0) 2(0,0)
  silkscreen extent -5,-6.26 10.2,6.26, body extent -3.85,-6.35 8.65,6.15, height 20
CAPC0603(1608) [mm] "Chip Capacitor, Body 1.6x0.8mm, Height 0.55mm, IPC Medium Density"
  rrect25% 0.8x0.95 smd: 1(-0.8,0) 2(0.8,0)
  silkscreen extent -0.05,-0.4 0.05,0.4, body extent -0.87,-0.48 0.88,0.47, height 0.55
CAPC1608X06N [mm] "Chip Capacitor, 2-Leads, Body 1.60x0.80mm, IPC Medium Density"
  rrect25% 0.9x1 smd: 1(-0.675,0) 2(0.675,0)
  silkscreen extent -1.3,-0.7 1.3,0.7, body extent -0.77,-0.42 0.83,0.38, height 0.6
CAPC2012X14N [mm] "Chip Capacitor, 2-Leads, Body 2.00x1.25mm, IPC Medium Density"
  rrect25% 1x1.25 smd: 1(-0.875,0) 2(0.875,0)
  silkscreen extent -1.63,-0.87 1.63,0.87, body extent -1,-0.6 1,0.6, height 1.2
CAPC3216X16N [mm] "Chip Capacitor, 2-Leads, Body 3.20x1.60mm, IPC Medium Density"
  rrect25% 1.4x1.8 smd: 1(-1.375,0) 2(1.375,0)
  silkscreen extent -2.22,-1.05 2.2,1.07, body extent -1.6,-0.8 1.6,0.8, height 1.6
CONT_0.2 [mm] "0.2mm continuation track"
  rect 0.2x0.2 smd: 1(-0.1,0) 2(0.1,0)
"CUI PJ-102AH" [mm] "DC Barrel Jack W/ Switch 2.0x5.5"
  rrect50% 2.1x1.5 hole 1 slot 1.6 at 0 deg: 1(0,-6.5) 2(0,-0.5)
  rrect50% 1.5x2.1 hole 1 slot 1.6 at 90 deg: 3(-4.7,-3.5)
  silkscreen extent -4.92,-7.2 4.47,7.2, body extent -4.92,-7.2 4.47,7.2, height 11
ESP-WROOM-32 [mm]
  rect 0.9x1.5 smd: 1(7.7,9) 2(6.43,9) 3(5.16,9) 4(3.89,9) 5(2.62,9) 6(1.35,9) 7(0.08,9) 8(-1.19,9) 9(-2.46,9) 10(-3.73,9) 11(-5,9) 12(-6.27,9) 13(-7.54,9) 14(-8.81,9) 25(-8.81,-9) 26(-7.54,-9) 27(-6.27,-9) 28(-5,-9) 29(-3.73,-9) 30(-2.46,-9) 31(-1.19,-9) 32(0.08,-9) 33(1.35,-9) 34(2.62,-9) 35(3.89,-9) 36(5.16,-9) 37(6.43,-9) 38(7.7,-9)
  rect 1.5x0.9 smd: 15(-10.3,5.715) 16(-10.3,4.445) 17(-10.3,3.175) 18(-10.3,1.905) 19(-10.3,0.635) 20(-10.3,-0.635) 21(-10.3,-1.905) 22(-10.3,-3.175) 23(-10.3,-4.445) 24(-10.3,-5.715)
  rect 6x6 smd: 39(0,0)
  Keep-Out Layer region: 8.8,-9.625 15.15,-9.625 15.15,9.925 8.8,9.925
  body extent -10.32,-9 15.18,9, height 2.91
Fiducial_1mm [mm] "1mm fiducial"
  round 1 smd paste+0 mask+0.5: 1(0,0)
HOLE_3.2MM [mm]
  round 5 hole 3.2: 1(0,0)
  silkscreen extent -2.9,-2.9 2.9,2.9
IND2012X14N [mm] "Chip Inductor 2-Leads, Body 2.00x1.25mm, IPC Medium Density"
  rrect25% 1x1.25 smd: 1(-0.875,0) 2(0.875,0)
  silkscreen extent -1.63,-0.87 1.63,0.87, body extent -0.97,-0.6 1.02,0.6, height 0.89
"JST B2B-PH-K" [mm]
  oval 1.5x2.5 hole 0.7: 1(-1,0) 2(1,0)
  silkscreen extent -2.95,-2.8 2.95,1.7, body extent -2.95,-2.8 2.95,1.7, height 6
JST-B4B-PH-K-S_V [mm] "Connector, 4-Leads, Body 9.9x4.5mm, Pitch 2mm"
  rect 1.5x1.5 hole 1: 1(-3,0.55)
  round 1.5 hole 1: 2(-1,0.55) 3(1,0.55) 4(3,0.55)
  silkscreen extent -4.95,-2.25 4.95,2.25, body extent -4.9,-2.2 5,2.3, height 6
JST-B5B-PH-K-S_V [mm] "Header, 5-Leads, Body 11.9x4.5mm, Pitch 2mm"
  rect 1.2x1.2 hole 0.7: 1(-4,0)
  round 1.2 hole 0.7: 2(-2,0) 3(0,0) 4(2,0) 5(4,0)
  silkscreen extent -6.73,-2.8 5.95,1.7, body extent -5.95,-2.8 5.95,1.7, height 6
MOD_TEA5767 [mm]
  rrect25% 2x1.2 smd paste+0 mask+0.102: 1(0,0) 2(0,-2) 3(0,-4) 4(0,-6) 5(0,-8) 6(11,-8) 7(11,-6) 8(11,-4) 9(11,-2) 10(11,0)
  silkscreen extent -1,-10 11,2.5, body extent 0,-10 11,2, height 2
QFN50P400X400X100_HS-25N [mm] "QFN, 24-Leads, Body 4.00x4.00mm, Pitch 0.50mm, Thermal Pad 2.50x2.50mm, IPC Medium Density"
  oval 0.9x0.25 smd: 1(-1.9,1.25) 2(-1.9,0.75) 3(-1.9,0.25) 4(-1.9,-0.25) 5(-1.9,-0.75) 6(-1.9,-1.25) 13(1.9,-1.25) 14(1.9,-0.75) 15(1.9,-0.25) 16(1.9,0.25) 17(1.9,0.75) 18(1.9,1.25)
  oval 0.25x0.9 smd: 7(-1.25,-1.9) 8(-0.75,-1.9) 9(-0.25,-1.9) 10(0.25,-1.9) 11(0.75,-1.9) 12(1.25,-1.9) 19(1.25,1.9) 20(0.75,1.9) 21(0.25,1.9) 22(-0.25,1.9) 23(-0.75,1.9) 24(-1.25,1.9)
  rect 2.5x2.5 smd: 25(0,0)
  silkscreen extent -2.97,-2.2 2.2,2.2, body extent -2,-2 2,2, height 1
RESC1608X06N [mm] "Chip Resistor, 2-Leads, Body 1.60x0.80mm, IPC Medium Density"
  rrect25% 0.85x0.95 smd: 1(-0.65,0) 2(0.65,0)
  silkscreen extent -1.3,-0.7 1.3,0.7, body extent -0.82,-0.4 0.88,0.4, height 0.56
RESC3116X07N [mm] "Chip Resistor, 2-Leads, Body 3.10x1.60mm, IPC Medium Density"
  rrect25% 1.1x1.7 smd: 1(-1.4,0) 2(1.4,0)
  silkscreen extent -0.45,-0.75 0.45,0.75, body extent -1.67,-0.86 1.68,0.87, height 0.85
RJLBC-060TC1 [mm]
  round 2.8 hole 3.2 unplated paste+0 mask+0.102: 0(-5.715,-7.92) 0(5.715,-7.92)
  round 1.2 hole 0.9 paste+0 mask+0.102: 1(-4.445,-1.27) 2(-3.175,1.27) 3(-1.905,-1.27) 4(-0.635,1.27) 5(0.635,-1.27) 6(1.905,1.27) 7(3.175,-1.27) 8(4.445,1.27) 9(-6.425,-12.72) 10(-3.925,-12.72) 11(4.15,-12.72) 12(6.825,-12.72)
  round 2.8 hole 2 paste+0 mask+0.102: S(-7.8,-4.87) S(7.8,-4.87)
  body extent -8.73,-18.45 8.75,3.1, height 14.19
SJ1-352xng [mm] "Audio jack 3.5mm"
  rrect25% 0.1x0.1 hole 1.2 unplated paste+0 mask+0.102: 0(-7.5,-5) 0(-7.5,5) 0(-5,-5) 0(-5,5) 0(0,0)
  rrect25% 1.5x2 hole 0.8 slot 1.5 at 90 deg paste+0 mask+0.102: 1(-5,0)
  rrect25% 2x1.5 hole 0.8 slot 1.5 at 0 deg paste+0 mask+0.102: 2(0,-5) 3(0,5) 4(0,-2.5) 5(0,2.5)
  body extent -11.55,-6.1 2.5,5.9, height 5.5
SOT95P230X110-3N [mm] "SOT23, 3-Leads, Body 2.90x2.30mm, Pitch 0.95mm, IPC Medium Density"
  rect 0.9x0.6 smd: 1(-1.15,0.95) 2(-1.15,-0.95) 3(1.15,0)
  silkscreen extent -1.28,-1.5 0.7,1.92, body extent -1.4,-1.45 1.4,1.45, height 1.3
SOT95P245X110-5N [mm] "SOT23, 5-Leads, Body 2.88x2.45mm, Pitch 0.95mm, IPC Medium Density"
  rect 0.95x0.6 smd: 1(-1.35,0.95) 2(-1.35,0) 3(-1.35,-0.95) 4(1.35,-0.95) 5(1.35,0.95)
  silkscreen extent -1.47,-1.5 0.5,1.92, body extent -1.4,-1.45 1.4,1.45, height 1.45
SOT95P245X110-6N [mm] "SOT23, 6-Leads, Body 2.88x2.45mm, Pitch 0.95mm, IPC Medium Density"
  rect 0.95x0.55 smd: 1(-1.35,0.95) 2(-1.35,0) 3(-1.35,-0.95) 4(1.35,-0.95) 5(1.35,0) 6(1.35,0.95)
  silkscreen extent -1.48,-1.5 0.5,1.9, body extent -1.4,-1.45 1.4,1.45, height 1.45
SOT150P700X180-5N [mm] "SOT223, 5-Leads, Body 6.50x7.00mm (avg), Pitch 1.50mm, IPC Medium Density"
  rect 2.1x0.9 smd: 1(-2.95,2.25) 2(-2.95,0.75) 3(-2.95,-0.75) 4(-2.95,-2.25)
  rect 2.1x3.2 smd: 5(2.95,0)
  silkscreen extent -3.07,-3.35 1.6,3.37, body extent -3.5,-3.25 3.5,3.25, height 1.69
SOT190P230X120-4N [mm] "SOT143, 4-Leads, Body 2.90x2.30mm, Pitch 1.90mm, IPC Medium Density"
  rect 0.9x1 smd: 1(-1.15,0.75)
  rect 0.9x0.6 smd: 2(-1.15,-0.95) 3(1.15,-0.95) 4(1.15,0.95)
  silkscreen extent -1.2,-1.5 0.7,1.6, body extent -1.18,-1.45 1.18,1.45, height 1.22
SRN6045 [mm] "Precision Wire Wound Inductor, 2-Leads, Body 6.00x6.00mm, IPC Medium Density"
  rect 2x6 smd: 1(-2.275,0) 2(2.275,0)
  silkscreen extent -0.45,-3.1 0.45,3.1, body extent -3.15,-3 3.15,3, height 4.5
TH_0.8mm [mm]
  round 1.2 hole 0.8 paste+0 mask+0.102: 1(0,0)
TO252 [mm] "TO252"
  rect 2.4x1.05 smd: 1(-6.8,2.3) 3(-6.8,-2.3)
  rect 7x7 smd: 2(0.25,0)
  silkscreen extent -6.92,-3.5 -3.5,3.74, body extent -7.1,-3.33 2.6,3.25, height 2.4
TP_1mm [mm]
  round 1 smd paste+0 mask+0.102: 1(0,0)
TSOP65P640X120-16N [mm] "TSOP, 16-Leads, Body 5.00x4.40mm, Pitch 0.65mm, IPC Medium Density"
  oval 1.4x0.45 smd: 1(-2.95,2.275) 2(-2.95,1.625) 3(-2.95,0.975) 4(-2.95,0.325) 5(-2.95,-0.325) 6(-2.95,-0.975) 7(-2.95,-1.625) 8(-2.95,-2.275) 9(2.95,-2.275) 10(2.95,-1.625) 11(2.95,-0.975) 12(2.95,-0.325) 13(2.95,0.325) 14(2.95,0.975) 15(2.95,1.625) 16(2.95,2.275)
  silkscreen extent -3.07,-2.55 1.85,3.17, body extent -3.2,-2.5 3.2,2.5, height 1.2
TSOP65P640X120-20N [mm] "TSOP, 20-Leads, Body 6.50x4.40mm, Pitch 0.65mm, IPC Medium Density"
  oval 1.4x0.4 smd: 1(-2.95,2.925) 2(-2.95,2.275) 3(-2.95,1.625) 4(-2.95,0.975) 5(-2.95,0.325) 6(-2.95,-0.325) 7(-2.95,-0.975) 8(-2.95,-1.625) 9(-2.95,-2.275) 10(-2.95,-2.925) 11(2.95,-2.925) 12(2.95,-2.275) 13(2.95,-1.625) 14(2.95,-0.975) 15(2.95,-0.325) 16(2.95,0.325) 17(2.95,0.975) 18(2.95,1.625) 19(2.95,2.275) 20(2.95,2.925)
  silkscreen extent -3.08,-3.3 1.85,3.8, body extent -3.2,-3.25 3.2,3.25, height 1.2
TSOP65P780X120-20N [mm] "TSOP, 20-Leads, Body 7.20x5.30mm, Pitch 0.65mm, IPC Medium Density"
  oval 1.25x0.42 smd: 1(-3.625,2.925) 2(-3.625,2.275) 3(-3.625,1.625) 4(-3.625,0.975) 5(-3.625,0.325) 6(-3.625,-0.325) 7(-3.625,-0.975) 8(-3.625,-1.625) 9(-3.625,-2.275) 10(-3.625,-2.925) 11(3.625,-2.925) 12(3.625,-2.275) 13(3.625,-1.625) 14(3.625,-0.975) 15(3.625,-0.325) 16(3.625,0.325) 17(3.625,0.975) 18(3.625,1.625) 19(3.625,2.275) 20(3.625,2.925)
  silkscreen extent -3.75,-3.75 2.4,3.81, body extent -3.9,-3.6 3.9,3.6, height 1.9
TSOP332 [mm]
  oval 1.2x1.5 hole 0.8: 1(0,0) 2(2.54,0) 3(5.08,0)
  silkscreen extent -0.3,-2.91 5.5,-0.9, body extent -0.31,-3.9 5.5,1.1, height 9.8
TSQFP50P900X900X160-48N [mm] "TSQFP, 48-Leads, Body 7.00x7.00mm, Pitch 0.50mm, IPC Medium Density"
  oval 1.45x0.3 smd: 1(-4.225,2.75) 2(-4.225,2.25) 3(-4.225,1.75) 4(-4.225,1.25) 5(-4.225,0.75) 6(-4.225,0.25) 7(-4.225,-0.25) 8(-4.225,-0.75) 9(-4.225,-1.25) 10(-4.225,-1.75) 11(-4.225,-2.25) 12(-4.225,-2.75) 25(4.225,-2.75) 26(4.225,-2.25) 27(4.225,-1.75) 28(4.225,-1.25) 29(4.225,-0.75) 30(4.225,-0.25) 31(4.225,0.25) 32(4.225,0.75) 33(4.225,1.25) 34(4.225,1.75) 35(4.225,2.25) 36(4.225,2.75)
  oval 0.3x1.45 smd: 13(-2.75,-4.225) 14(-2.25,-4.225) 15(-1.75,-4.225) 16(-1.25,-4.225) 17(-0.75,-4.225) 18(-0.25,-4.225) 19(0.25,-4.225) 20(0.75,-4.225) 21(1.25,-4.225) 22(1.75,-4.225) 23(2.25,-4.225) 24(2.75,-4.225) 37(2.75,4.225) 38(2.25,4.225) 39(1.75,4.225) 40(1.25,4.225) 41(0.75,4.225) 42(0.25,4.225) 43(-0.25,4.225) 44(-0.75,4.225) 45(-1.25,4.225) 46(-1.75,4.225) 47(-2.25,4.225) 48(-2.75,4.225)
  silkscreen extent -4.35,-3.1 3.1,3.65, body extent -4.5,-4.5 4.5,4.5, height 1.5
TSSOP50P810X120_HS-49M [mm] "TSSOP, 48-Leads, Body 12.50x6.10mm, Pitch 0.50mm, Thermal Pad 6.40x3.60mm, IPC Low Density"
  oval 1.6x0.3 smd: 1(-3.9,5.75) 2(-3.9,5.25) 3(-3.9,4.75) 4(-3.9,4.25) 5(-3.9,3.75) 6(-3.9,3.25) 7(-3.9,2.75) 8(-3.9,2.25) 9(-3.9,1.75) 10(-3.9,1.25) 11(-3.9,0.75) 12(-3.9,0.25) 13(-3.9,-0.25) 14(-3.9,-0.75) 15(-3.9,-1.25) 16(-3.9,-1.75) 17(-3.9,-2.25) 18(-3.9,-2.75) 19(-3.9,-3.25) 20(-3.9,-3.75) 21(-3.9,-4.25) 22(-3.9,-4.75) 23(-3.9,-5.25) 24(-3.9,-5.75) 25(3.9,-5.75) 26(3.9,-5.25) 27(3.9,-4.75) 28(3.9,-4.25) 29(3.9,-3.75) 30(3.9,-3.25) 31(3.9,-2.75) 32(3.9,-2.25) 33(3.9,-1.75) 34(3.9,-1.25) 35(3.9,-0.75) 36(3.9,-0.25) 37(3.9,0.25) 38(3.9,0.75) 39(3.9,1.25) 40(3.9,1.75) 41(3.9,2.25) 42(3.9,2.75) 43(3.9,3.25) 44(3.9,3.75) 45(3.9,4.25) 46(3.9,4.75) 47(3.9,5.25) 48(3.9,5.75)
  rect 3.6x6.4 smd: 49(0,0)
  silkscreen extent -4.02,-6.3 2.7,6.6, body extent -4.05,-6.25 4.05,6.25, height 1.2
"TXC 9C" [mm] "Crystal, 2-Leads, Body 4.70x11.40mm, Pitch 8.80mm, IPC Medium Density"
  rect 5.5x2 smd: 1(-4.75,0) 2(4.75,0)
  silkscreen extent -5.77,-2.43 5.77,2.43, body extent -6.35,-2.35 6.35,2.35, height 4.2